# Altium PCB HIVE_BOARD_PCB ASCII REV Project_PCB_Rev.Project_SCH_Rev.PcbDoc (part 3 of 9) (continued)
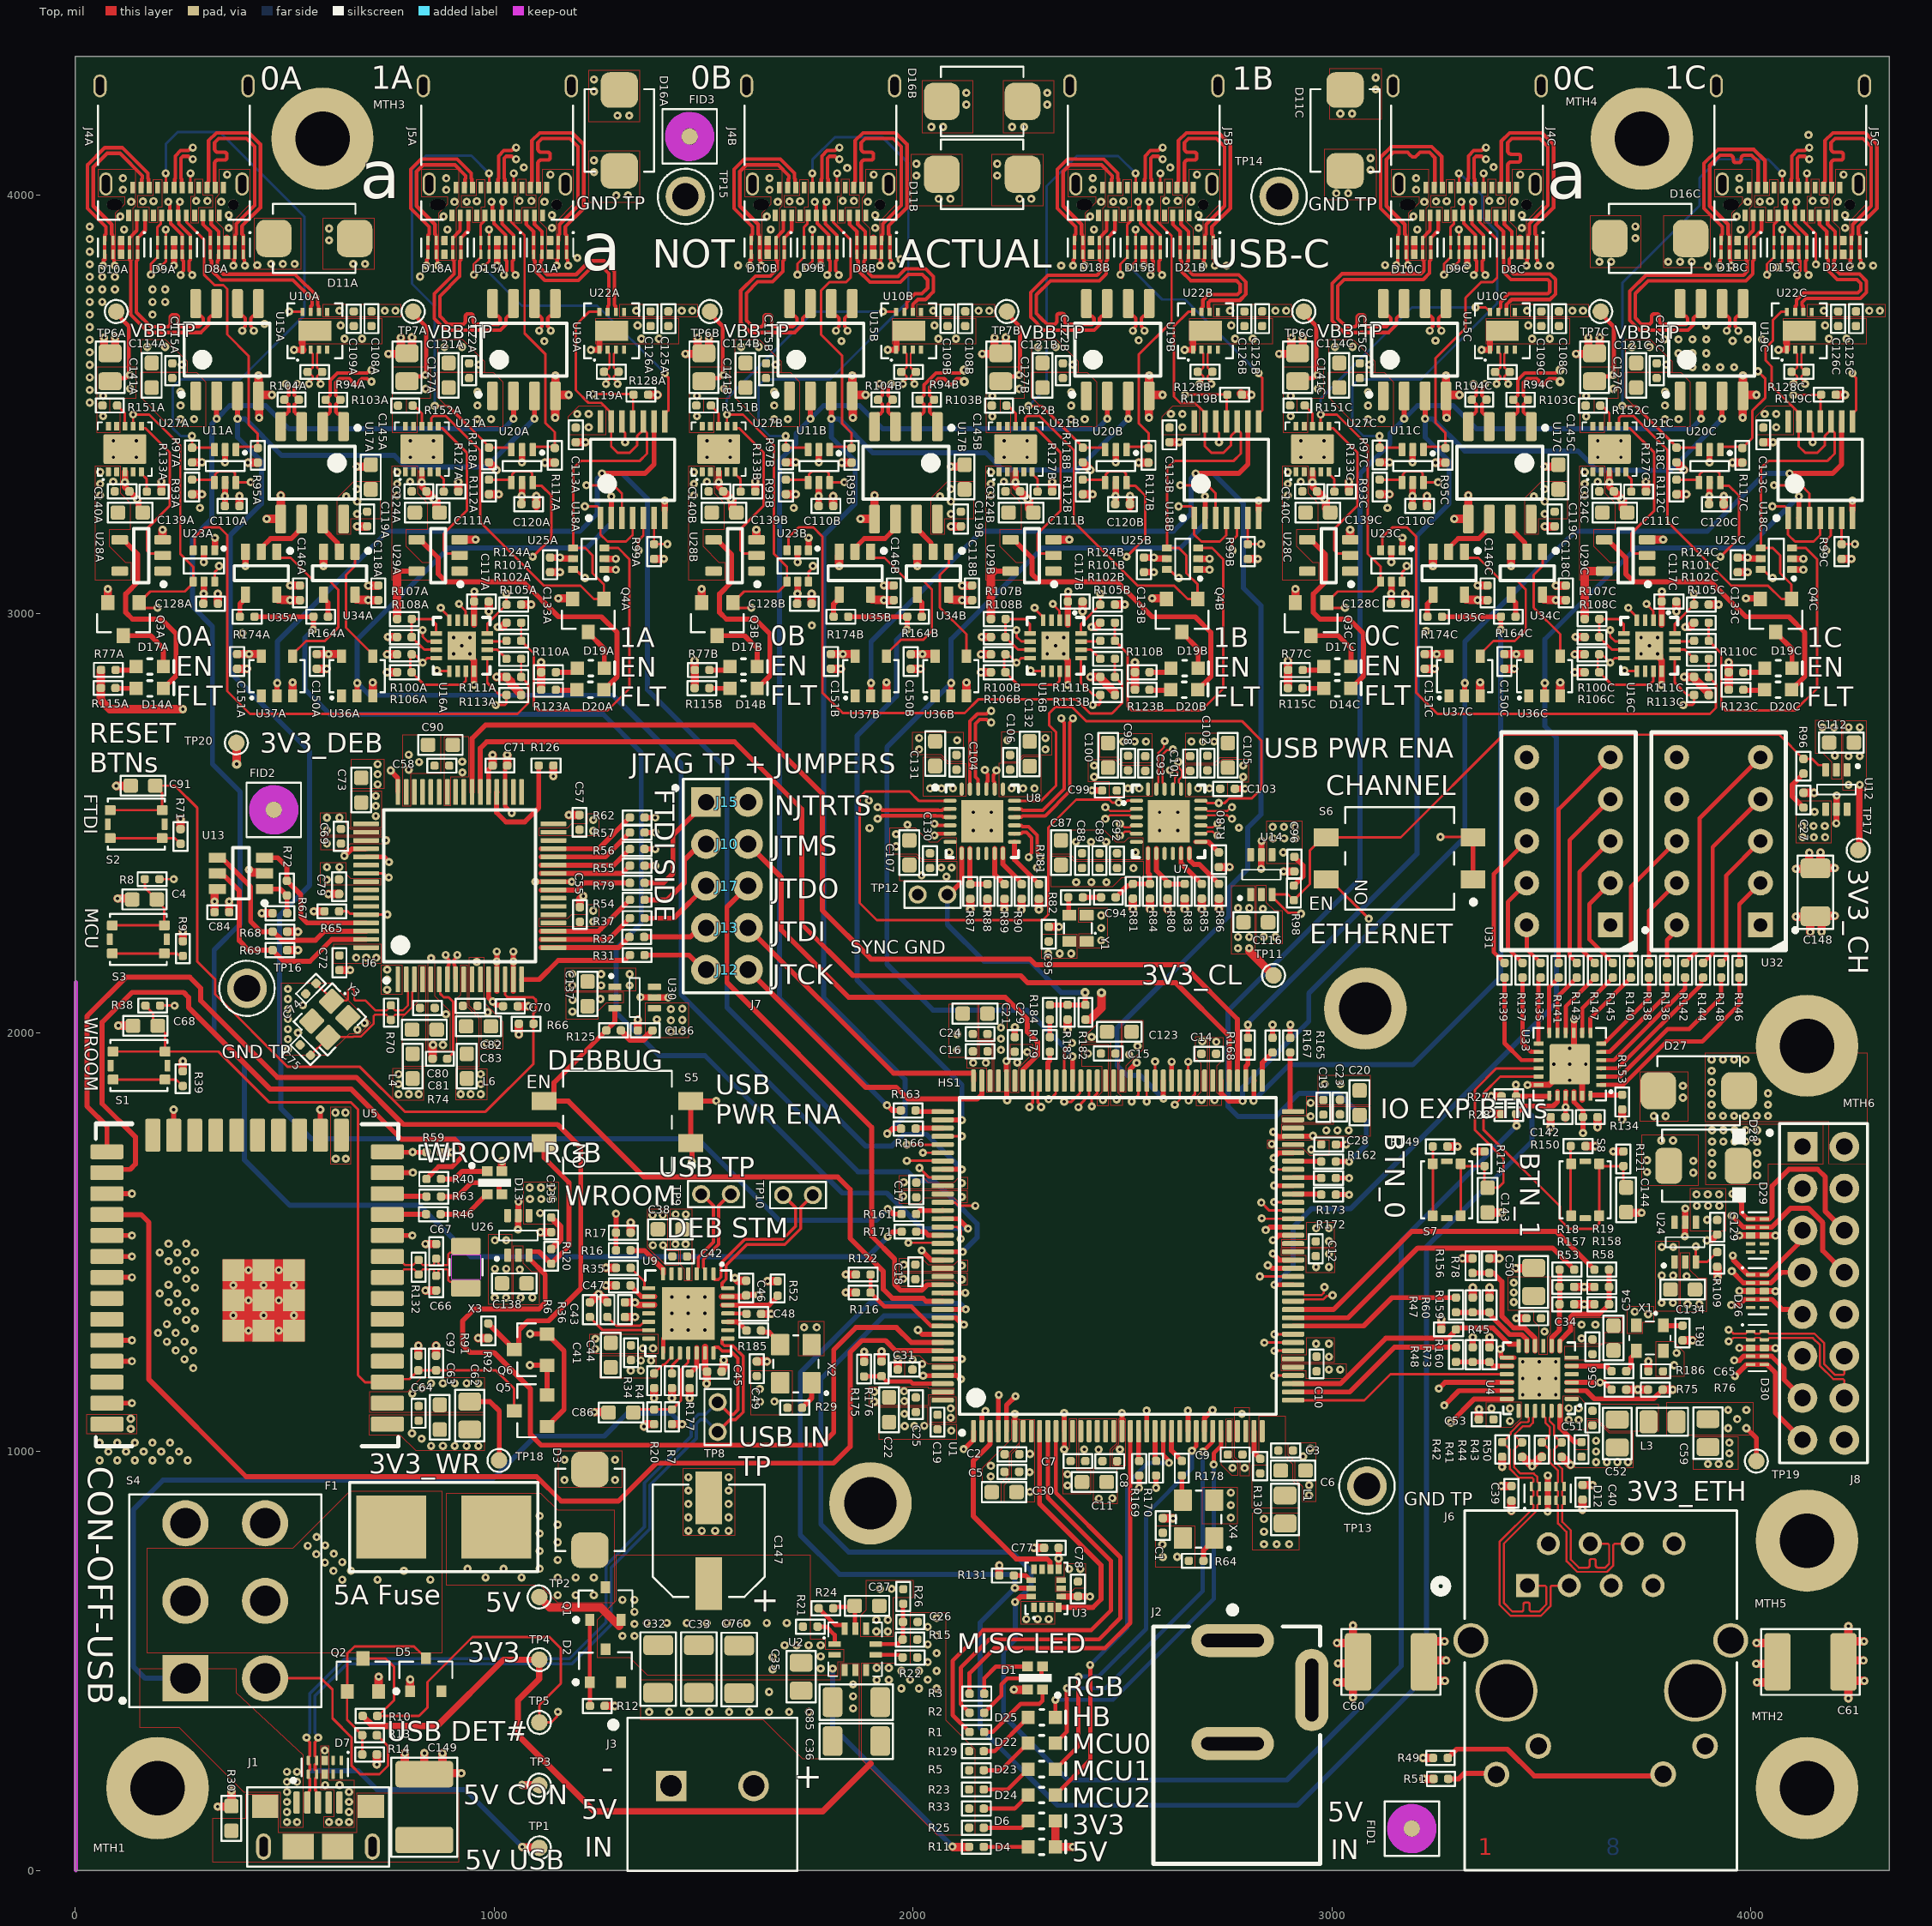
[diagram p0: Top view]
## Nets (pads, with @x,y where several pads share a name; then routed paths per layer and width w, separated by ;. In a path a pad name is that pad's centre, name@x,y a point inside that pad or via, vN(x,y) a via of type N, cw(c..) or ccw(c..) an arc to the next point about the centre after c; other vN are vias at no path point) (continued)
  Top w20: R77A.2@61.88,2865.87 61.61,2865.61 61.61,2822.97 R115A.2@61.35,2822.71 61.35,2793.43 82.58,2772.19 v1(257.34,2772.19) ; v1(745,2902.87) R100A.1@768.61,2902.87 ; v1(1006.24,2849) R111A.1@1029.85,2849 1040.85,2838 1040.85,2832.1 1064.78,2808.18 R113A.1@1064.78,2805.84 ; v1(1009,2968) 1019.37,2968 R101A.1@1029.85,2978.49 ; R124A.1@1064.78,3021.65 1065,3021.87 v1(1088.62,3021.87) ; v1(1112.45,2884.01) 1112.45,2860.4 R110A.2@1112.57,2860.29 R123A.2@1112.57,2818.46 ; R6.1@1228.92,1355.32 1228.92,1355.54 v1(1249.83,1376.44) ; v1@1250.43,1376.44 R36.1@1270.69,1356.18 ; v1@1266.95,1438.59 R35.1@1291.14,1438.59 ; C43.2@1312.47,1356.2 v1@1336.66,1356.2 ; v1@1424.85,1127.46 R4.1@1424.85,1151.65 ; v1@1467.17,1127.12 R177.1@1467.17,1151.31 ; v1(1478.9,2887.86) 1478.9,2864.24 R77B.2@1479.13,2864.02 ; R115B.2@1479.17,2822.68 1479.17,2865.32 R77B.2@1479.43,2865.58 ; v1(1507.56,1162.28) 1507.99,1162.72 C45.2@1507.99,1190.54 ; v1@1839.65,1379.64 R116.1@1863.84,1379.64 ; R175.2@1883.38,1214.34 v1@1883.38,1238.53 ; v1(2162.32,2902.87) R100B.1@2185.93,2902.87 ; R131.1@2205.94,704.15 v1@2205.94,728.34 ; v1@2240.94,431.79 D1.3@2265.13,431.79 ; v1(2423.56,2849) R111B.1@2447.18,2849 2447.18,2846.82 2482.1,2811.9 R113B.1@2482.1,2805.84 ; v1(2426.32,2968) 2436.69,2968 R101B.1@2447.18,2978.49 ; R124B.1@2482.1,3021.65 2482.32,3021.87 v1(2505.94,3021.87) ; v1(2529.78,2884.01) 2529.78,2860.4 R110B.2@2529.89,2860.29 R123B.2@2529.89,2818.46 ; v1(2894.94,2887.81) 2894.94,2864.19 R77C.2@2895.16,2863.97 ; R115C.2@2895.2,2822.63 2895.2,2865.27 R77C.2@2895.47,2865.54 ; v1@3340.07,1716.34 R114.2@3364.26,1716.34 ; v1(3380.12,1805.78) R28.1@3404.31,1805.78 ; v1@3380.12,1848.05 R27.1@3404.31,1848.05 ; v1(3579.64,2902.87) R100C.1@3603.26,2902.87 ; v1@3634.2,1774.28 R134.2@3634.2,1798.47 ; v1@3671.54,1716.28 R121.2@3695.73,1716.28 ; v1@3692.89,1792.52 R153.2@3692.89,1816.72 ; v1(3840.88,2849) R111C.1@3864.5,2849 3864.5,2845.5 3899.42,2810.58 R113C.1@3899.42,2805.84 ; v1(3843.65,2968) 3854.01,2968 R101C.1@3864.5,2978.49 ; R124C.1@3899.65,3021.87 v1(3923.26,3021.87) ; R109.1@3919.67,1441.3 3920.85,1440.13 v1(3920.85,1413.63) ; v1(3947.1,2884.01) 3947.1,2860.4 R110C.2@3947.21,2860.29 R123C.2@3947.21,2818.46 ; v1(4107.55,2390.95) 4133.31,2390.95 C148.2@4133.5,2390.76 ; C148.2@4139.4,2405.9 v1(4139.4,2429.52) ; C148.2@4166.32,2406.52 v1(4166.32,2430.14) ; C148.2@4174.83,2393.43 4175.3,2392.95 v1(4200.55,2392.95)
  other v1: 2240.94,431.98 1972.32,434.61 2014.36,434.61 2056.39,434.61 1913.63,454.97 1942.31,454.97 1993.34,455.63 2035.38,455.63 1972.32,476.65 2014.36,476.65 2056.39,476.65 1913.63,483.65 1942.31,483.65 2035.38,497.66 2056.39,518.68 2035.38,539.7 2056.39,560.72 2035.38,581.73 2056.39,602.75 2206.14,728.34 2596.28,748.31 2630.52,748.74 2595.43,778.49 2838,778.93 2868.04,778.93 2898.07,778.93 2838,808.96 2838,839 2279.28,903.86 2368.86,919.24 2368.86,945.75 2278.67,951.02 2763,961 2279.25,994.52 2089.93,1080.96 2089.93,1103 1635.16,1119.02 1669.4,1119.45 1424.65,1127.46 1466.97,1127.12 1634.3,1149.19 2993,1226.52 1883.58,1238.53 1241.75,1244.94 1355.28,1246.5 1379.52,1246.5 2962.11,1257.41 2993,1257.41 1241.75,1269.18 1839.65,1379.84 2117,1411 1977.08,1412.55 1266.95,1438.79 1433,1495 1457.24,1495 2993,1502.11 2962.11,1533 2993,1533 3895.48,1553.13 1433.53,1566.2 1457.77,1566.2 1110.2,1569.27 3871,1586.7 3897.88,1586.7 3924.77,1586.7 1085.71,1602.83 1112.6,1602.83 1139.48,1602.83 2117,1607.85 1977.08,1609.4 3870.27,1613.78 3897.16,1613.78 3924.04,1613.78 1084.99,1629.92 1111.87,1629.92 1138.76,1629.92 3907.35,1659.46 4014.88,1659.46 3907.35,1686.35 4014.88,1686.35 3907.35,1713.23 4014.88,1713.23 3340.07,1716.54 3671.54,1716.48 3907.35,1740.12 3934.23,1740.12 3961.12,1740.12 3988,1740.12 4014.88,1740.12 3907.35,1767 3934.23,1767 3961.12,1767 3988,1767 4014.88,1767 3634,1774.28 3692.69,1792.52 2949.11,1800.47 2949.11,1832.28 2453.26,1839.32 2720,1839 3380.12,1848.25 2143.72,1927.99 2174,1928 2516,1948 2418,1950 2536,1968 2724.09,1978.04 1422.37,2002.39 1449.45,2003.11 1422.37,2029.27 1449.45,2030 1388.8,2031.67 1422.37,2056.16 1449.45,2056.88 2883.91,2430.26 2859.43,2463.82 2886.31,2463.82 2913.19,2463.82 4123.48,2466.21 4150.36,2466.21 4177.25,2466.21 2858.7,2490.91 2885.59,2490.91 2912.47,2490.91 4122.76,2493.29 4149.64,2493.29 4176.52,2493.29 4152.04,2526.86 307,3048 1724.32,3048 3141.65,3048 953,3053 2370.32,3053 3787.65,3053
3V3_CH: C108A.2 C108B.2 C108C.2 C109A.2 C109B.2 C109C.2 C110A.1 C110B.1 C110C.1 C112.1 C113A.2 C113B.2 C113C.2 C114A.1 C114B.1 C114C.1 C115A.1 C115B.1 C115C.1 C118A.1 C118B.1 C118C.1 C119A.1 C119B.1 C119C.1 C120A.1 C120B.1 C120C.1 C121A.1 C121B.1 C121C.1 C122A.1 C122B.1 C122C.1 C125A.2 C125B.2 C125C.2 C126A.2 C126B.2 C126C.2 C145A.1 C145B.1 C145C.1 C146A.1 C146B.1 C146C.1 C150A.1 C150B.1 C150C.1 C151A.1 C151B.1 C151C.1 R93A.1 R93B.1 R93C.1 R95A.1 R95B.1 R95C.1 R99A.1 R99B.1 R99C.1 R112A.1 R112B.1 R112C.1 R117A.1 R117B.1 R117C.1 R119A.1 R119B.1 R119C.1 TP17.1 U10A.5 U10B.5 U10C.5 U11A.5 U11B.5 U11C.5 U12.1 U15A.1 U15B.1 U15C.1 U17A.8 U17B.8 U17C.8 U18A.14 U18B.14 U18C.14 U19A.1 U19B.1 U19C.1 U20A.5 U20B.5 U20C.5 U22A.5 U22B.5 U22C.5 U23A.1 U23B.1 U23C.1 U25A.1 U25B.1 U25C.1 U34A.5 U34B.5 U34C.5 U35A.5 U35B.5 U35C.5 U36A.5 U36B.5 U36C.5 U37A.5 U37B.5 U37C.5 | length 1784.1
  Top w15: v1(333.78,3180.84) 333.78,3157.22 U23A.1@334,3157 ; C110A.1@356.76,3261.51 358,3262.76 358,3312.49 U11A.5@358.33,3312.82 ; C120A.1@1065.42,3261.51 1066.66,3262.76 1066.66,3312.49 U20A.5@1066.99,3312.82 ; U25A.1@1267,3105 v1(1290.62,3105) ; v1(1751.1,3180.84) 1751.1,3157.22 U23B.1@1751.32,3157 ; C110B.1@1774.08,3261.51 1775.32,3262.76 1775.32,3312.49 U11B.5@1775.66,3312.82 ; C120B.1@2482.74,3261.51 2483.98,3262.76 2483.98,3312.49 U20B.5@2484.32,3312.82 ; U25B.1@2684.32,3105 v1(2707.94,3105) ; v1(3168.42,3180.84) 3168.42,3157.22 U23C.1@3168.65,3157 ; C110C.1@3191.4,3261.51 3192.65,3262.76 3192.65,3312.49 U11C.5@3192.98,3312.82 ; C120C.1@3900.06,3261.51 3901.31,3262.76 3901.31,3312.49 U20C.5@3901.64,3312.82 ; U25C.1@4101.65,3105 v1(4125.26,3105) ; TP17.1@4256.27,2435.61 4259.2,2438.54 4259.2,2590.87 v1(4260.09,2591.76)
  Top w20: R93A.1@279.1,3284.8 R93A.1@279.32,3285.02 v1(302.94,3285.02) ; C151A.1@387,2903.5 443.77,2903.5 444.6,2902.67 U37A.5@444.6,2898.24 ; v1(412.68,3360.48) R95A.1@436.3,3360.48 R95A.1@436.52,3360.7 ; U35A.5@481.64,3045.57 481.64,3036.71 484.97,3033.39 493.82,3033.39 494.06,3033.15 512.31,3033.15 v1(513.21,3032.25) C146A.1@536.82,3032.25 C146A.1@537.05,3032.47 ; C150A.1@577,2903.5 U36A.5@633.77,2903.5 ; U34A.5@668.23,3045.57 668.23,3036.71 671.55,3033.39 680.41,3033.39 680.65,3033.15 698.9,3033.15 v1(699.8,3032.25) 723.41,3032.25 C118A.1@723.63,3032.47 ; R112A.1@987.76,3284.8 R112A.1@987.99,3285.02 v1(1011.6,3285.02) ; v1(1121.34,3360.48) R117A.1@1144.96,3360.48 R117A.1@1145.18,3360.7 ; R119A.1@1371.96,3522.32 v1(1390.56,3522.32) ; R99A.1@1382.08,3130.75 v1(1405.7,3130.75) ; R93B.1@1696.42,3284.8 R93B.1@1696.65,3285.02 v1(1720.26,3285.02) ; C151B.1@1804.32,2903.5 1861.09,2903.5 1861.92,2902.67 U37B.5@1861.92,2898.24 ; v1(1830.01,3360.48) R95B.1@1853.62,3360.48 R95B.1@1853.84,3360.7 ; U35B.5@1898.96,3045.57 1898.96,3036.71 1902.29,3033.39 1911.15,3033.39 1911.38,3033.15 1929.63,3033.15 v1(1930.53,3032.25) C146B.1@1954.15,3032.25 C146B.1@1954.37,3032.47 ; C150B.1@1994.32,2903.5 U36B.5@2051.09,2903.5 ; U34B.5@2085.55,3045.57 2085.55,3036.71 2088.88,3033.39 2097.73,3033.39 2097.97,3033.15 2116.22,3033.15 v1(2117.12,3032.25) 2140.73,3032.25 C118B.1@2140.96,3032.47 ; R112B.1@2405.09,3284.8 R112B.1@2405.31,3285.02 v1(2428.92,3285.02) ; v1(2538.67,3360.48) R117B.1@2562.28,3360.48 R117B.1@2562.51,3360.7 ; R119B.1@2782.84,3525.23 R119B.1@2785.34,3522.73 ; R119B.1@2789.28,3522.32 v1(2807.88,3522.32) ; R99B.1@2799.4,3130.75 v1(2823.02,3130.75) ; R93C.1@3113.75,3284.8 R93C.1@3113.97,3285.02 v1(3137.58,3285.02) ; C151C.1@3221.65,2903.5 v1(3250.03,2903.5) 3278.42,2903.5 3279.24,2902.67 U37C.5@3279.24,2898.24 ; v1(3247.33,3360.48) R95C.1@3270.94,3360.48 R95C.1@3271.17,3360.7 ; U35C.5@3316.28,3045.57 3316.28,3036.71 3319.61,3033.39 3328.47,3033.39 3328.71,3033.15 3346.96,3033.15 v1(3347.85,3032.25) C146C.1@3371.47,3032.25 C146C.1@3371.69,3032.47 ; C150C.1@3411.65,2903.5 U36C.5@3468.42,2903.5 ; U34C.5@3502.87,3045.57 3502.87,3036.71 3506.2,3033.39 3515.06,3033.39 3515.29,3033.15 3533.54,3033.15 v1(3534.44,3032.25) 3558.06,3032.25 C118C.1@3558.28,3032.47 ; R112C.1@3822.41,3284.8 R112C.1@3822.63,3285.02 v1(3846.25,3285.02) ; v1(3955.99,3360.48) R117C.1@3979.61,3360.48 R117C.1@3979.83,3360.7 ; R119C.1@4206.6,3522.32 v1(4225.2,3522.32) ; R99C.1@4216.73,3130.75 v1(4240.34,3130.75)
  other v1: 4233.02,2591.76 4233.02,2659.94 4260.09,2659.94 4233.41,2728.78 4260.3,2728.78 415.39,2903.5 605.39,2903.5 1832.71,2903.5 2022.71,2903.5 3440.03,2903.5 673.28,3238.01 2090.6,3238.01 3507.92,3238.01 673.28,3267.69 2090.6,3267.69 3507.92,3267.69 357.5,3280.62 647.4,3280.09 1066.16,3280.62 1774.82,3280.62 2064.72,3280.09 2483.48,3280.62 3192.15,3280.62 3482.05,3280.09 3900.81,3280.62 673.28,3297.37 2090.6,3297.37 3507.92,3297.37 1226,3445 2643.32,3445 4060.65,3445 251.62,3464.3 284.15,3464.3 960.28,3464.3 992.81,3464.3 1668.94,3464.3 1701.47,3464.3 2377.69,3464.22 2410.22,3464.22 3086.35,3464.22 3118.88,3464.22 3794.93,3464.3 3827.46,3464.3 1198.52,3476.57 1226,3476.57 2615.84,3476.57 2643.32,3476.57 4033.17,3476.57 4060.65,3476.57 251.62,3496.83 960.28,3496.83 1668.94,3496.83 2377.69,3496.74 3086.35,3496.74 3794.93,3496.83 251.62,3529.35 960.28,3529.35 1668.94,3529.35 2377.69,3529.27 3086.35,3529.27 3794.93,3529.35 631,3723 739.32,3723 764.79,3723 1339.66,3723 1447.98,3723 1473.45,3723 2048.32,3723 2156.64,3723 2182.12,3723 2756.98,3723 2865.31,3723 2890.78,3723 3465.65,3723 3573.97,3723 3599.44,3723 4174.31,3723 4282.63,3723 4308.1,3723
3V3_CL: C87.1 C88.2 C89.2 C92.2 C93.2 C95.2 C98.2 C99.2 C100.1 C101.2 C102.2 C103.2 C104.2 C105.1 C106.2 C107.1 C116.1 C130.2 C131.1 C132.1 R80.2 R81.2 R85.2 R87.2 R89.2 R182.2 TP11.1 U7.6 U7.19 U7.24 U8.6 U8.19 U8.24 U14.1 Y1.4 | length 303.5
  Top w20: v1(2136.79,2293.76) R87.2@2136.79,2319.4 ; v1(2218.34,2293.76) R89.2@2218.34,2319.4 ; R182.2@2411.73,2031.23 2422.7,2031.23 2449.97,2058.5 v3(2449.97,2095.26) ; v1(2525,2294.36) R81.2@2525,2320 ; v1(2607.79,2294.36) R80.2@2607.79,2320 ; v1(2689.39,2294.36) R85.2@2689.39,2320 ; v1(2802.54,2201.44) 2802.54,2194.7 TP11.1@2860.71,2136.52
  other v1: 2322.79,2188.71 2350.21,2188.71 2377.63,2188.71 2775.65,2201.44 2775.65,2228.33 2802.54,2228.33 2775.86,2297.18 2802.93,2297.18 2086.66,2430.16 2531.53,2430.16 1959.83,2444.56 2388.99,2455.46 2425.13,2455.46 2461.26,2455.46 1959.83,2473.79 2040.96,2583 2068.12,2583 2095.28,2583 2235.74,2583 2262.9,2583 2290.06,2583 2513,2583 2540.16,2583 2680.62,2583 2707.78,2583 2432.54,2610.49 2788.24,2610.49 2432.54,2637.65 2788.24,2637.65
3V3_DEB: C55.1 C57.1 C58.1 C69.1 C79.1 C84.1 C90.1 C137.1 L4.1 L6.1 R66.2 R67.2 R68.2 R69.2 TP20.1 U6.20 U6.31 U6.42 U6.50 U6.56 U13.6 U30.1 | length 215.1
  Top w20: C84.1@332.95,2287.33 v1(332.95,2312.96) 332.95,2340.93 334.76,2342.74 U13.6@340,2342.74 ; TP20.1@385.1,2691.81 385.52,2691.39 385.52,2641.29 v3(385.84,2640.97) ; v1(445.76,2285.05) R67.2@471.4,2285.05 ; R69.2@506.5,2197 v1(532.14,2197) ; R68.2@506.5,2241.03 v1(532.14,2241.03) ; v1(1059.29,1995.47) R66.2@1059.29,2021.11
  other v1: 772.42,1852.96 796.42,1852.96 820.42,1852.96 920.42,1852.96 944.42,1852.96 968.42,1852.96 772.42,1876.96 968.42,1876.96 772.42,1900.96 968.42,1900.96 1255.72,2112.65 1323.89,2112.65 1186.87,2113.05 1255.72,2139.73 1323.89,2139.73 1186.87,2139.94 1237,2265 1237,2291 601,2364.89 601.19,2395.11 631.1,2395.11 1237,2481.54 601,2483 1237,2507.54 601.19,2513.22 631.1,2513.22 924.46,2621.23 924.03,2646.58
3V3_ETH: C34.2 C50.2 C59.2 C65.1 C134.1 L3.1 R45.2 R53.2 R58.2 R60.2 R73.2 R156.2 TP19.1 U4.9 U24.1 X1.4 | length 233.6
  Top w12: v1(3989.35,1055.9) 4013.19,1032.06 TP19.1@4013.19,977.28
  Top w15: R73.2@3336.09,1248.82 v1@3336.09,1273.01
  Top w20: R45.2@3260.95,1291.65 v1@3260.95,1315.85 ; v1@3311.44,1461.09 R156.2@3335.63,1461.09 ; R60.2@3336.09,1367.48 v1@3336.09,1391.67 ; R53.2@3578.28,1351.58 R58.2@3626.66,1351.58
  other v1: 3945.9,1055.9 3967.62,1077.63 3945.9,1099.35 3989.35,1099.35 3817.17,1206.36 3822.59,1235.38 3336.29,1273.01 3507.46,1286.62 3261.15,1315.85 3602.47,1351.38 3787.11,1355.01 3814,1355.01 3434,1356.66 3434,1380 3336.29,1391.67 3434,1403.34 3787.43,1420.06 3814.5,1420.06 3311.44,1461.29 3787.43,1488.23 3814.5,1488.23
3V3_PHY: C39.1 C40.1 C51.1 C52.1 C53.1 J6.2 J6.5 L3.2 R41.2 R42.2 R43.2 R44.2 U4.1 U4.19 | length 174.8
  Top w15: R41.2@3453.78,987.08 3453.78,989.22 R41.2@3454.85,988.15 ; v1@3477.46,965.54 v1(3478,965) ; R43.2@3548.5,987.08 R43.2@3548.5,988.62 ; v1@3569.12,968 v1(3570,968)
  Top w20: v1@3406.43,963.33 R42.2@3406.43,987.52 ; v1@3428.59,858.47 C39.1@3428.59,882.66 ; R41.2@3454.85,988.15 v1@3477.46,965.54 ; v1@3476.93,965 R44.2@3501.14,989.22 ; R43.2@3548.5,988.62 v1@3569.12,968 ; v1@3598.28,861.21 C40.1@3598.28,885.41
  other v1: 3428.39,858.47 3598.08,861.21 3406.23,963.33 3425,1072.86 3565.26,1075.82 3589.07,1075.82 3381,1103 3425,1103 3565.26,1103.56 3589.07,1103.56
3V3_WR: C62.2 C63.1 C64.2 C138.1 D13.3 R91.2 R92.2 TP18.1 U5.2 U26.1 | length 266.1
  Top w12: C62.2@941.98,1119.41 990.16,1119.41 1012.56,1097.01 TP18.1@1012.56,983.37
  Top w20: R91.2@861.77,1228.94 v1@861.77,1253.14 ; v1@962.09,1270.77 R92.2@986.28,1270.77 ; D13.3@1018.98,1669.1 v1@1018.98,1693.29
  other v1: 805.03,1138.23 827.89,1151.13 849.88,1163 878.1,1163 906.33,1163 934.55,1163 962.78,1163 861.97,1253.14 962.09,1270.97 1001.93,1367.34 1028.82,1367.34 1002.14,1436.19 1029.22,1436.19 1002.14,1504.36 1029.22,1504.36 1019.17,1693.29
5V: C32.2 C33.2 C35.2 C76.2 C111A.1 C111B.1 C111C.1 C124A.2 C124B.2 C124C.2 C139A.1 C139B.1 C139C.1 C140A.2 C140B.2 C140C.2 C147.1 D2.3 D27.1 J8.2 Q1.2 R11.1 R21.2 R107A.1 R107B.1 R107C.1 TP2.1 U2.2 U21A.1 U21A.2 U21B.1 U21B.2 U21C.1 U21C.2 U27A.1 U27A.2 U27B.1 U27B.2 U27C.1 U27C.2 U28A.5 U28B.5 U28C.5 U29A.5 U29B.5 U29C.5 | length 1272.4
  Top w12: 768.8,3094.57 775.83,3101.6 U29A.5@815.48,3101.6 ; 2193.15,3101.6 U29B.5@2232.8,3101.6
  Top w20: R107A.1@768.8,2987.17 768.8,3094.57 ; TP2.1@1108,653 1133,628 1255,628 Q1.2@1298.93,584.07 ; v1@2095.29,56.15 R11.1@2133.78,56.15 ; R107B.1@2186.12,2987.17 2186.12,3094.57 2193.15,3101.6 ; R107C.1@3603.45,2987.17 3603.45,3094.57 3610.48,3101.6 U29C.5@3650.12,3101.6
  Bottom w12: v1(1808.36,482.32) 1808.36,343.08 v1(2094.18,57.27)
  other v1: 1664.96,480.34 1779.68,482.32 1664.96,509.02 1779.68,511 1693.64,537.7 1722.32,537.7 1751,537.7 1779.68,537.7 1306.65,560.07 1335.33,560.07 1335.33,588.75 1364.68,591 1412.4,591 1460.12,591 1507.84,591 1555.56,591 1603.28,591 1651,591 1698.72,591 1335.33,617.43 1306.65,646.11 1335.33,646.11 58.63,979.1 100.66,979.1 142.7,979.1 184.73,979.1 226.77,979.1 268.8,979.1 79.64,1000.12 121.68,1000.12 163.71,1000.12 205.75,1000.12 247.78,1000.12 58.63,1021.13 100.66,1021.13 142.7,1021.13 184.73,1021.13 226.77,1021.13 282.2,1199.24 261.18,1220.26 240.17,1241.27 282.2,1241.27 219.15,1262.29 261.18,1262.29 198.13,1283.31 240.17,1283.31 285.99,1293.37 219.15,1304.33 264.97,1314.39 243.95,1335.4 285.99,1335.4 222.93,1356.42 264.97,1356.42 201.92,1377.44 243.95,1377.44 286.19,1391.14 222.93,1398.46 265.17,1412.15 244.15,1433.17 286.19,1433.17 223.13,1454.19 265.17,1454.19 202.12,1475.21 244.15,1475.21 286.19,1475.21 223.13,1496.22 265.17,1496.22 3906.45,1801.23 3933.33,1801.23 3960.22,1801.23 3987.1,1801.23 4013.99,1801.23 4040.87,1801.23 3906.45,1828.12 4040.87,1828.12 3906.45,1855 4040.87,1855 3906.45,1881.89 3906.45,1908.77 3906.45,1935.65 3933.33,1935.65 3960.22,1935.65 3987.1,1935.65 60,3282 768.66,3282 1477.32,3282 2185.98,3282 2894.65,3282 3603.31,3282 60,3310 768.66,3310 1477.32,3310 2185.98,3310 2894.65,3310 3603.31,3310 91,3315 799.66,3315 1508.32,3315 2216.98,3315 2925.65,3315 3634.31,3315 60,3338 768.66,3338 1477.32,3338 2185.98,3338 2894.65,3338 3603.31,3338 34.98,3503.86 34.98,3533.88 34.98,3563.89 3860.49,3588.36 3893.64,3588.36 3926.79,3588.36 3959.94,3588.36 34.98,3593.91 3827.34,3621.51 3860.49,3621.51 3893.64,3621.51 34.98,3623.92 34.98,3653.94 3794.19,3654.66 3827.34,3654.66 3860.49,3654.66 3893.64,3654.66 3993.09,3654.66 4026.24,3654.66 34.98,3683.95 3893.64,3687.81 34.98,3713.97 185.06,3713.97 34.98,3743.98 65,3743.98 185.06,3743.98 215.08,3743.98 34.98,3774 65,3774 95.02,3774 185.06,3774 215.08,3774 34.98,3804.02 65,3804.02 34.98,3834.03 34.98,3864.05 34.98,3894.06 34.98,3924.08
5V_CONN: J2.1 J3.2 S4.3 S4.6 TP3.1 | length 38.5
  Top w20: v1@1068.09,203.76 TP3.1@1106.58,203.76
  other v1: 1066.97,204.87
5V_POL_G: D2.1 Q1.1 R12.1 | length 205.6
  Top w10: Q1.1@1228.6,598.26 D2.1@1228.6,449.5 1228.87,449.23 1228.87,393.2 R12.1@1229.15,392.92
5V_USB: J1.1 R7.1 S4.1 TP1.1 | length 2573.6
  Top w20: v1(1067.28,56.35) 1068.39,55.24 1106.89,55.24 TP1.1@1108,54.13 ; R7.1@1424.86,1065.48 v1@1449.05,1065.48
  Bottom w12: S4.1@263.46,458.79 167.55,458.79 138.78,487.56 138.78,860.84 209.69,931.75 993.65,931.75 1098.76,1036.86 1263.34,1036.86 1318.29,1091.82 1422.52,1091.82 v1(1449.05,1065.28) ; 561.73,238.43 675.46,238.43 720.54,193.36 930.27,193.36 v1(1067.28,56.35)
  other v1: 505.84,115.81 529.84,115.81 505.84,139.81 505.84,163.81 505.84,187.81 505.84,211.81 529.84,211.81 505.84,235.81 529.84,235.81
7SEG_A_0: R136.1 U33.5 | length 254.1
  Top w10: U33.5@3642.68,1954.16 3662.77,1954.16 3799.9,2091.29 R136.1@3799.9,2131.4
7SEG_A_1: R135.1 U33.13 | length 159.7
  Top w10: U33.13@3493.07,1973.85 3493.07,2125.75 3498.18,2130.86 R135.1@3498.18,2131.4
7SEG_B_0: R138.1 U33.6 | length 208.6
  Top w10: U33.6@3642.68,1973.85 3649.21,1973.85 3649.76,1974.4 3756.8,2081.44 R138.1@3756.8,2131.4
7SEG_B_1: R137.1 U33.14 | length 203.3
  Top w10: R137.1@3455.08,2131.4 3455.08,1974.56 3475.2,1954.44 3492.79,1954.44 U33.14@3493.07,1954.16
7SEG_C_0: R140.1 U33.7 | length 172
  Top w10: U33.7@3617.08,1999.44 3617.08,2034.79 R140.1@3713.69,2131.4
7SEG_C_1: R139.1 U33.15 | length 254.4
  Top w10: R139.1@3411.97,2131.4 3411.97,1974.75 3452.24,1934.48 U33.15@3493.07,1934.48
7SEG_D_0: R142.1 U33.4 | length 297.9
  Top w10: U33.4@3642.68,1934.48 3673.35,1934.48 3843,2104.14 R142.1@3843,2131.4
7SEG_D_1: R141.1 U33.12 | length 141.3
  Top w10: U33.12@3518.66,1999.44 3518.66,2108.78 R141.1@3541.28,2131.4
7SEG_E_0: R144.1 U33.3 | length 340.4
  Top w10: U33.3@3642.68,1914.79 3642.95,1915.07 3682.07,1915.07 3881.72,2114.72 3881.72,2127.02 R144.1@3886.11,2131.4
7SEG_E_1: R143.1 U33.11 | length 151
  Top w10: U33.11@3538.34,1999.44 3538.34,2085.36 R143.1@3584.39,2131.4
7SEG_F_0: R146.1 U33.1 | length 473.3
  Top w10: U33.1@3642.68,1875.42 3694.95,1875.42 3798.2,1978.67 3883.91,1978.67 3972.31,2067.08 R146.1@3972.31,2131.4
7SEG_F_1: R145.1 U33.8 | length 162.3
  Top w10: U33.8@3597.4,1999.44 3597.83,1999.87 3597.83,2058.63 R145.1@3670.59,2131.4
7SEG_G_0: R148.1 U33.2 | length 411.7
  Top w10: U33.2@3642.68,1895.11 3642.95,1895.38 3688.38,1895.38 3801.53,2008.53 3852.98,2008.53 3929.21,2084.76 R148.1@3929.21,2131.4
7SEG_G_1: R147.1 U33.10 | length 160.7
  Top w10: U33.10@3558.03,1999.44 3558.03,2061.94 R147.1@3627.49,2131.4
12M_X_N: C75.2 R70.1 U6.3 Y3.3 | length 371.9
  Top w5: C75.2@562,1946 Y3.3@598.42,1982.42 ; Y3.3@603.88,1988.62 605.27,1990.01 664.13,1990.01 664.48,1990.35 681.46,1990.35 713.07,2021.96 713.07,2040.07 716,2043 743.12,2043 R70.1@753.91,2032.2 ; R70.1@753.91,2030.31 R70.1@753.91,2032.2 ; U6.3@809.9,2126.87 809.9,2101.67 805.06,2096.83 805.06,2061.28 786.59,2042.81 764.34,2042.81 761.41,2039.88 761.41,2039.7 R70.1@753.91,2032.2
12M_X_P: C74.2 R70.2 U6.2 Y3.1 | length 371.9
  Top w5: C74.2@575.39,2117.35 Y3.1@611.8,2080.93 ; Y3.1@612.23,2074.92 613.62,2076.31 643.73,2076.31 646.23,2076.31 ccw(c646.23,2081.31) 651.23,2081.31 651.23,2099.93 cw(c655.73,2099.93) 655.73,2104.43 661.73,2104.43 cw(c661.73,2099.93) 666.23,2099.93 666.23,2081.31 ccw(c671.23,2081.31) 671.23,2076.31 685.14,2076.31 693.71,2076.31 717.02,2053 743.49,2053 R70.2@753.91,2063.43 ; R70.2@753.91,2065.31 R70.2@753.91,2063.43 ; U6.2@790.22,2126.87 790.22,2101.67 795.06,2096.83 795.06,2065.42 782.45,2052.81 764.52,2052.81 R70.2@753.91,2063.42
32K_X_N: C67.2 R132.1 U5.9 X3.2 | length 261
  Top w5: U5.9@745.35,1465.7 767.44,1465.7 788.15,1445 806.58,1445 R132.1@819.11,1457.53 ; R132.1@820.01,1457.53 820.01,1455.64 827.51,1448.14 827.51,1447.96 830.44,1445.03 854.56,1445.03 857.49,1447.96 857.49,1456.01 C67.2@862.01,1460.53 867.35,1455.19 867.35,1448.17 867.49,1448.03 867.49,1447.96 870.42,1445.03 881.04,1445.03 ; 881.07,1445 888.14,1445 891.07,1447.93 891.07,1471.24 894.87,1475.05 917.85,1475.05 X3.2@933,1490.2
32K_X_P: C66.2 R132.2 U5.8 X3.1 | length 260.5
  Top w5: U5.8@745.35,1415.7 766.44,1415.7 785.73,1435 809.44,1435 R132.2@820.01,1424.42 ; R132.2@820.01,1422.53 R132.2@820.01,1424.42 ; 876.92,1435 888.14,1435 891.07,1432.07 891.07,1408.77 894.87,1404.96 917.84,1404.96 X3.1@933,1389.8 ; 876.9,1435.03 870.42,1435.03 867.49,1432.1 867.49,1432.03 867.35,1431.89 867.35,1424.87 C66.2@862.01,1419.53 857.49,1424.05 857.49,1432.1 854.56,1435.03 830.44,1435.03 827.51,1432.1 827.51,1431.92 R132.2@820.01,1424.42
BB_CC1_0A: J4A.A5 R95A.2 U11A.1 | length 700
  Top w6: J4A.A5@265.74,3950.38 265.74,3935.26 307.57,3893.43 307.57,3809.44 333.01,3784 354,3784 363,3775 363,3666.42 414.37,3615.05 414.37,3451.21 436.3,3429.28 R95A.2@436.3,3395.48 ; U11A.1@383.92,3391.56 383.92,3396.31 385.8,3398.18 433.59,3398.18 R95A.2@436.3,3395.48 ; R95A.2@438.48,3397.66 R95A.2@436.3,3395.48
BB_CC1_0B: J4B.A5 R95B.2 U11B.1 | length 717.3
  Top w6: U11B.1@1801.25,3391.56 1801.25,3396.31 1803.12,3398.18 1850.91,3398.18 R95B.2@1853.62,3395.48 ; J4B.A5@1809.05,3950.4 1809.05,3935.27 1850.88,3893.44 1850.88,3801.68 1840.61,3791.41 1800.69,3791.41 1780.32,3771.03 1780.32,3666.42 1799.53,3647.21 1830.81,3615.93 1830.81,3454.02 1853.62,3431.21 R95B.2@1853.62,3395.48 ; R95B.2@1855.81,3397.66 R95B.2@1853.62,3395.48
BB_CC1_0C: J4C.A5 R95C.2 U11C.1 | length 715.4
  Top w6: U11C.1@3218.57,3391.56 3218.57,3396.31 3220.44,3398.18 3268.24,3398.18 R95C.2@3270.94,3395.48 ; R95C.2@3270.94,3398.18 3270.94,3431.79 3247.27,3455.46 3247.27,3609.86 3318.9,3681.49 3318.9,3753.95 3356.13,3791.18 3383.7,3791.18 3394.19,3801.67 3394.19,3893.43 3352.36,3935.26 J4C.A5@3352.36,3950.39
BB_CC1_1A: J5A.A5 R117A.2 U20A.1 | length 654.7
  Top w6: J5A.A5@1037.4,3950.38 1040.3,3947.48 1040.3,3935.7 1073,3903 1073,3669.3 1122.22,3620.08 1122.22,3455.81 1144.96,3433.07 R117A.2@1144.96,3395.48 ; U20A.1@1092.58,3391.56 1092.58,3396.31 1094.46,3398.18 R117A.2@1142.25,3398.18
BB_CC1_1B: J5B.A5 R117B.2 U20B.1 | length 667.6
  Top w6: U20B.1@2509.91,3391.56 2509.91,3396.31 2511.78,3398.18 R117B.2@2559.58,3398.18 ; R117B.2@2562.28,3395.48 2562.28,3398.18 2562.28,3430.94 2538.71,3454.51 2538.71,3618.21 2617.32,3696.82 2617.32,3902 2583.61,3935.71 2583.61,3947.49 J5B.A5@2580.71,3950.4
BB_CC1_1C: J5C.A5 R117C.2 U20C.1 | length 894.7
  Top w6: U20C.1@3927.23,3391.56 3927.23,3396.31 3929.1,3398.18 R117C.2@3976.9,3398.18 ; R117C.2@3979.61,3395.48 4003.65,3419.52 4003.65,3484.72 4034.65,3515.72 4034.65,3560.79 v1(4016.85,3578.59) ; J5C.A5@4124.02,3950.39 4126.92,3947.48 4126.92,3935.7 4155.25,3907.37 v1(4155.25,3833.66)
  Signal_2 w6: v1(4016.85,3578.59) 4016.06,3579.38 4002.99,3579.38 3919.45,3662.93 3919.45,3733.54 4039.31,3853.4 4135.52,3853.4 v1(4155.25,3833.66)
BB_CC2_0A: J4A.B5 R97A.1 U11A.3 | length 1387
  Top w6: J4A.B5@216.53,4017.31 v1(216.52,4051.07) ; v1(279.1,3424) 279.32,3423.78 R97A.1@279.32,3396.26 330.87,3396.26 332.74,3394.39 U11A.3@332.74,3391.56
  Bottom w6: v1(216.52,4051.07) 216.52,4121.06 245.02,4149.55 345.54,4149.55 547.17,3947.92 547.17,3712.17 393.88,3558.88 251.48,3558.88 233,3540.4 233,3443.08 252.08,3424 v1(279.1,3424)
BB_CC2_0B: J4B.B5 R97B.1 U11B.3 | length 1368.6
  Top w6: v1(1696.42,3424) 1696.64,3423.78 R97B.1@1696.64,3396.26 1748.19,3396.26 1750.07,3394.39 U11B.3@1750.07,3391.56 ; J4B.B5@1759.84,4017.33 v1(1759.83,4051.08)
  Bottom w6: v1@1696.33,3424.09 1657.67,3424.09 1631.11,3450.64 1631.11,3544.14 1645.93,3558.96 1802.08,3558.96 1989,3745.88 1989,4075.5 1927.49,4137 1813.42,4137 1759.83,4083.41 v1(1759.83,4051.08)
BB_CC2_0C: J4C.B5 R97C.1 U11C.3 | length 1065.8
  Top w6: v1(3113.74,3424) 3113.96,3423.78 R97C.1@3113.96,3396.26 3165.51,3396.26 3167.39,3394.39 U11C.3@3167.39,3391.56 ; J4C.B5@3303.15,4017.32 v1(3303.14,4051.07)
  Bottom w6: v1(3113.74,3424) 3075.08,3424 3048.52,3450.56 3048.52,3544.06 3063.34,3558.88 3212.43,3558.88 3394.98,3741.42 3394.98,3910.47 3358.78,3946.67 3358.78,3998.17 3305.87,4051.07 v1(3303.14,4051.07)
BB_CC2_1A: J5A.B5 R118A.1 U20A.3 | length 1063.5
  Top w6: v1(858.7,3496.17) 890.62,3496.17 R118A.1@988.54,3398.24 ; J5A.B5@988.18,4017.31 v1(988.18,4051.07) ; R118A.1@988.54,3396.83 R118A.1@987.98,3396.26 1039.53,3396.26 1041.4,3394.39 U20A.3@1041.4,3391.56
  Bottom w6: v1(858.7,3496.17) 858.7,3733.33 804.47,3787.56 804.47,4060.27 837.5,4093.31 945.94,4093.31 v1(988.18,4051.07)
BB_CC2_1B: J5B.B5 R118B.1 U20B.3 | length 1064
  Top w6: v1(2275.8,3495.94) 2307.72,3495.94 R118B.1@2405.64,3398.02 ; R118B.1@2405.87,3396.83 R118B.1@2405.3,3396.26 2456.85,3396.26 2458.73,3394.39 U20B.3@2458.73,3391.56 ; J5B.B5@2531.49,4017.33 v1(2531.49,4051.08)
  Bottom w6: v1(2275.8,3495.94) 2319.2,3539.35 2319.2,4020.79 2390.96,4092.55 2490.02,4092.55 v1(2531.49,4051.08)
BB_CC2_1C: J5C.B5 R118C.1 U20C.3 | length 1112.1
  Top w6: v1(3693.12,3495.94) 3725.05,3495.94 R118C.1@3822.97,3398.02 ; R118C.1@3823.19,3396.83 R118C.1@3822.62,3396.26 3874.18,3396.26 3876.05,3394.39 U20C.3@3876.05,3391.56 ; J5C.B5@4074.8,4017.32 v1(4074.8,4051.07)
  Bottom w6: v1(3693.12,3495.94) 3693.12,3789.6 3877.81,3974.29 3877.81,4040.41 3922,4084.6 4041.27,4084.6 v1(4074.8,4051.07)
BB_CLK_0A_N: D8A.5 D8A.6 J4A.A3 U10A.7 | length 439.3
  Top w8.5: J4A.A3@305.11,3950.38 305.32,3950.17 305.32,3929.88 322.83,3912.37 D8A.5@322.83,3890.45 D8A.6@322.83,3857.58 323.15,3857.27 323.15,3844.55 325.93,3841.77 325.93,3819.34 348.51,3796.76 519.74,3796.76 565.55,3750.95 565.55,3736.7 563.13,3734.28 563.13,3721.17 U10A.7@562.45,3720.5